# Altium PCB PCB1.PcbDoc (part 2 of 2)
Units mil, origin at the board's own origin, x right, y up, seen from the top; angles counter-clockwise.
Board outline 5314.96 x 2370.75 mil, 2 copper layers (Top Layer, Bottom Layer); 257 components, 147 nets, 806 pads, 335 vias.
Unrouted connection lines stored in the file: 91.
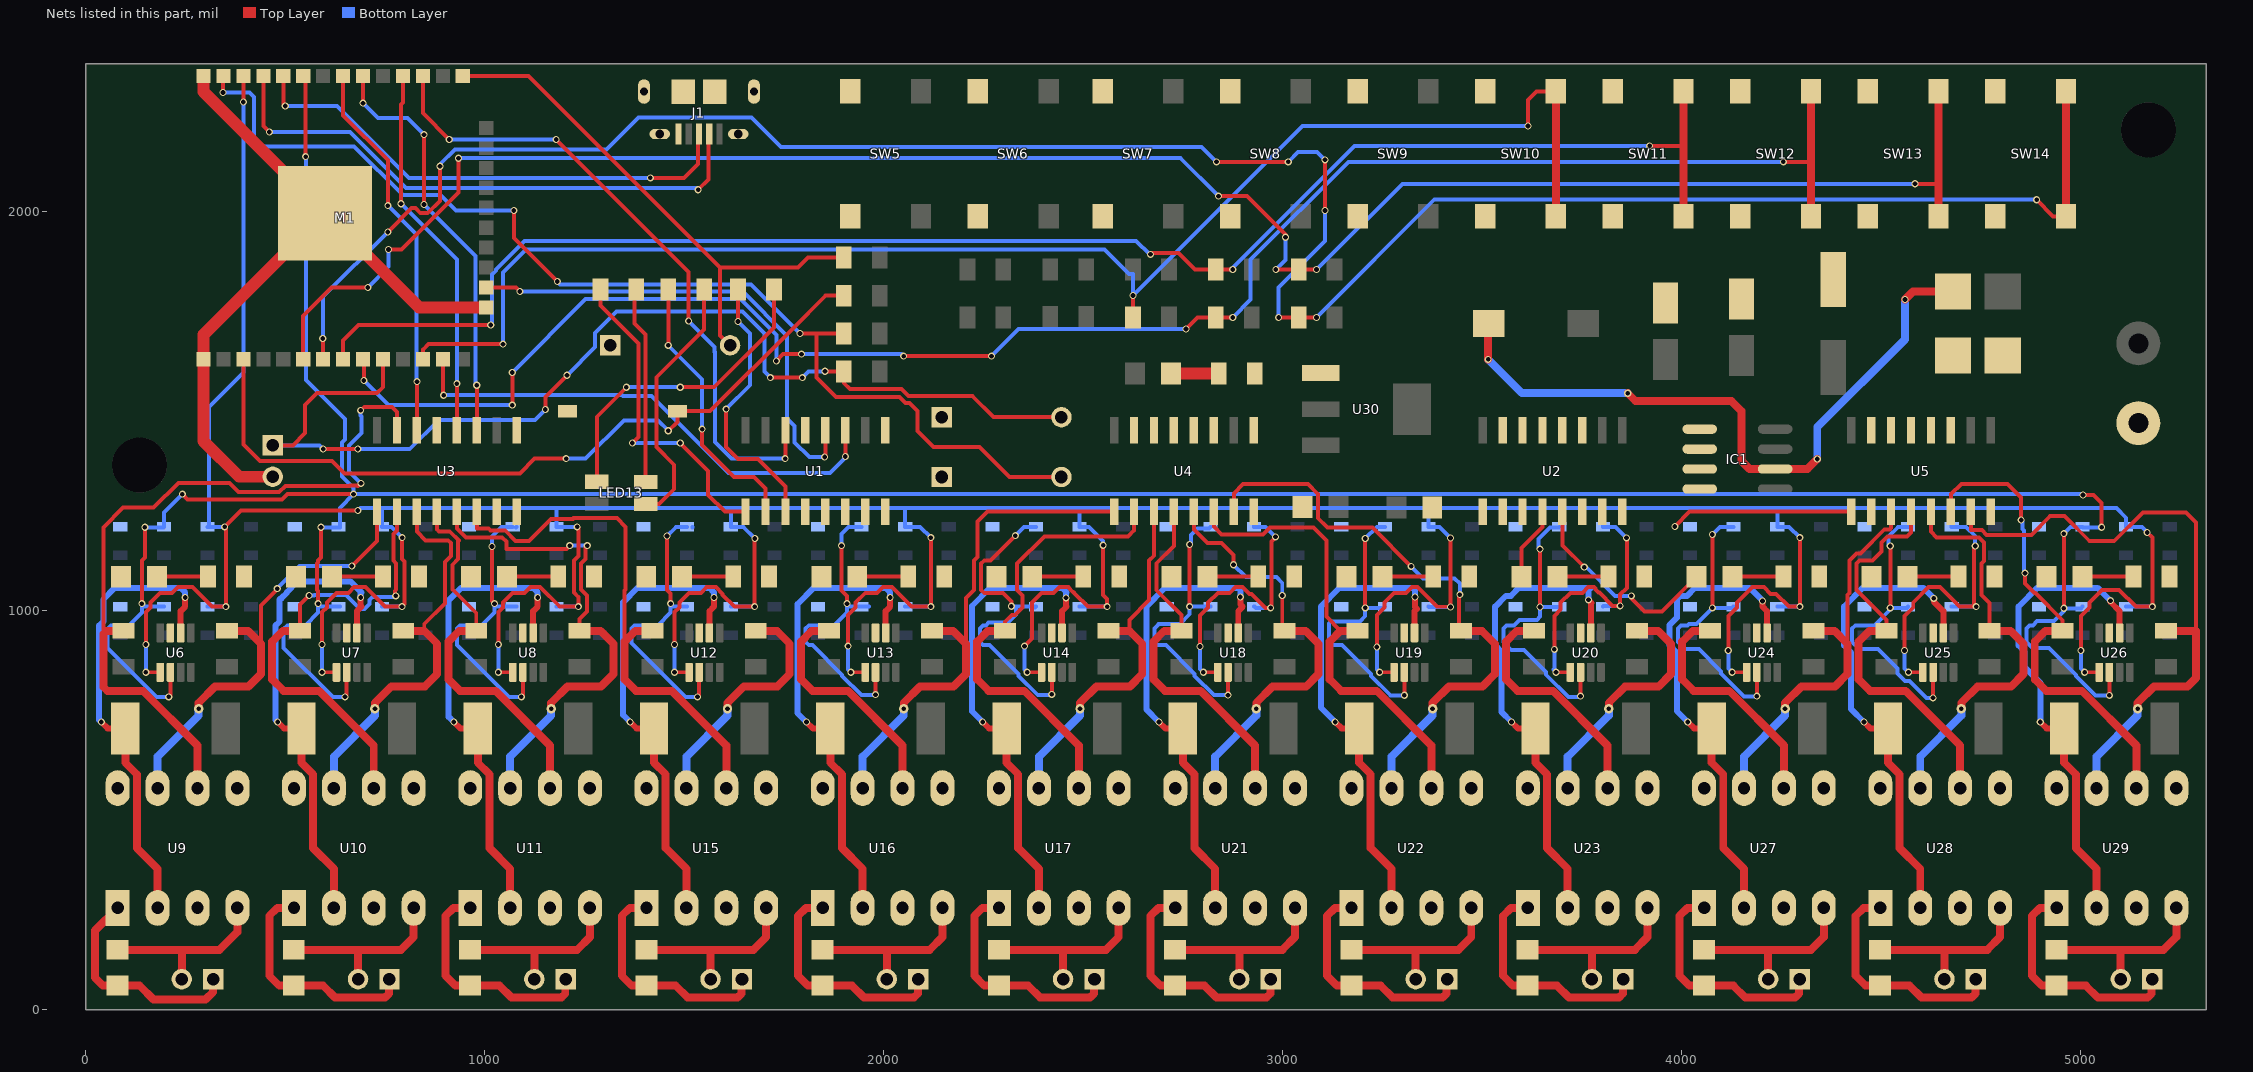
[diagram p2: the nets of this part, all layers, seen from the top]

## Via types
v1: diameter 17.72, hole 11.81, Top Layer to Bottom Layer, 301 vias
v2: diameter 23.62, hole 11.81, Top Layer to Bottom Layer, 34 vias

## Nets (pads, with @x,y where several pads share a name; then routed paths per layer and width w, separated by ;. In a path a pad name is that pad's centre, name@x,y a point inside that pad or via, vN(x,y) a via of type N, cw(c..) or ccw(c..) an arc to the next point about the centre after c; other vN are vias at no path point) (continued)
BTN_M6: M1.12 R158.2 SW10.1 SW10.4 | length 3770.3
  Top Layer w10: M1.12@845,1630 845,1654 859,1668 v1(1046,1668) ; R158.2@2625,1735 v1(2625,1790) ; v1(3615,2215) 3615,2280 3636.5,2301.5 SW10.1@3685.01,2301.5
  Top Layer w20: SW10.4@3685.01,1988.5 SW10.1@3685.01,2301.5
  Bottom Layer w10: v1(1046,1668) 1046,1847.37 1103.63,1905 2553.91,1905 2614.91,1844 2625,1844 v1(2625,1790) 3050,2215 v1(3615,2215)
BTN_M7: M1.8 R159.2 SW11.1 SW11.4 | length 4061.6
  Top Layer w10: M1.8@645,1630 645,1677 684,1716 v1(1015,1716) ; v1(2669,1893) 2673,1897 2738.57,1897 2780.57,1855 R159.2@2832.5,1855 v1(2875,1855) ; v1(3920,2165) 4004.65,2165
  Top Layer w20: SW11.4@4004.65,1988.5 4004.65,2165 SW11.1@4004.65,2301.5
  Bottom Layer w10: v1(1015,1716) 1018,1719 1018,1842 1028,1852 1028,1854.82 1100.18,1927 2633,1927 2667,1893 v1(2669,1893) ; v1(2875,1855) 2875,1860.37 3179.63,2165 v1(3920,2165)
BTN_M8: M1.9 R160.2 SW12.1 SW12.4 | length 4549.4
  Top Layer w10: M1.9@695,1630 697,1628 v1(697,1577) ; v1(1069,1515) v1(1069,1597) ; v1(1731,1626) 1748,1643 v1(1794,1643) ; v1(2050,1638) v1(2270,1638) ; v1(2758,1706) 2787,1735 R160.2@2832.5,1735 v1(2875,1735) ; v1(4255,2125) 4324.3,2125
  Top Layer w20: SW12.4@4324.3,1988.5 4324.3,2125 SW12.1@4324.3,2301.5
  Bottom Layer w10: v1(697,1577) 759,1515 v1(1069,1515) ; v1(1069,1597) 1253,1781 1640.54,1781 1731,1690.54 v1(1731,1626) ; v1(1794,1643) 2045,1643 v1(2050,1638) ; v1(2270,1638) 2338,1706 v1(2758,1706) ; v1(2875,1735) 2920,1780 2920,1879.91 3165.09,2125 v1(4255,2125)
BTN_M9: M1.6 R161.2 SW13.1 SW13.4 | length 5050.4
  Top Layer w10: M1.6@545,1630 545,1739 616,1810 v1(707,1810) ; v1(759,1905) 791.37,1905 934,2047.63 v1(934,2134) ; v1(2839,2039) 2911,2039 3007,1943 v1(3007,1936) ; v1(2983,1855) R161.2@3040,1855 v1(3085,1855) ; v1(4585,2070) 4643.94,2070
  Top Layer w20: SW13.4@4643.94,1988.5 4643.94,2070 SW13.1@4643.94,2301.5
  Bottom Layer w10: v1(707,1810) 759,1862 v1(759,1905) ; v1(934,2134) 2744,2134 v1(2839,2039) ; v1(2983,1855) 3007,1879 v1(3007,1936) ; v1(3085,1855) 3300,2070 v1(4585,2070)
BTN_M10: M1.7 R162.2 SW14.1 SW14.4 | length 5854.8
  Top Layer w10: v1(594,1682) 595,1681 M1.7@595,1630 ; v1(757,1949) 816.95,2008.95 826.14,2008.95 838.95,1996.14 857.05,1996.14 888,2027.09 v1(888,2114) ; v1(2834,2125) v1(3014,2125) ; v1(2990,1735) R162.2@3040,1735 v1(3085,1735) ; v1(3106,2003) v1(3106,2130) ; v1(4890,2030) 4931.5,1988.5 SW14.4@4963.58,1988.5
  Top Layer w20: SW14.4@4963.58,1988.5 SW14.1@4963.58,2301.5
  Bottom Layer w10: v1(594,1682) 595,1681 595,1787 v1(757,1949) ; v1(888,2114) 888,2118.91 924.95,2155.86 1304.86,2155.86 1385,2236 1669,2236 1743,2162 2797,2162 v1(2834,2125) ; v1(2990,1735) 2990,1810 3106,1926 v1(3106,2003) ; v1(3014,2125) 3039,2150 3086,2150 v1(3106,2130) ; v1(3085,1735) 3380,2030 v1(4890,2030)
DS: M1.31 U3.14 | length 964.6
  Top Layer w10: M1.31@645,2340 645,2241 757,2129 v1(757,2015) ; U3.14@830,1452 v1(830,1574)
  Bottom Layer w10: v1(757,2015) 829,1943 829,1575 v1(830,1574)
DS_2: M1.27 U1.14 | length 1641.9
  Top Layer w10: M1.27@845,2340 845,2247 v1(911,2181) ; v1(1179,2181) 1511,1849 v1(1511,1726) ; v1(1753,1381) 1753.75,1381.75 U1.14@1753.75,1452
  Bottom Layer w10: v1(911,2181) v1(1179,2181) ; v1(1511,1726) 1576.41,1660.59 1576.41,1648.42 1577,1647.83 1577,1423 1619,1381 v1(1753,1381)
GND: C13.1 C14.1 C15.2 C16.2 C17.2 DIO1.1 DIO2.1 HD1.1 IC1.5 IC1.6 IC1.7 IC1.8 J1.5 J1.S1 J1.S2 J1.S3 J1.S4 J1.S5 J1.S6 J2.2 M1.1 M1.15 M1.38 M1.101 R5.2 R6.2 R7.2 R8.2 R9.2 R10.2 R11.2 R12.2 R13.2 R14.2 R15.2 R16.2 R45.1 R47.1 R49.1 R50.1 R51.1 R52.1 R78.1 R80.1 R82.1 R83.1 R84.1 R85.1 R111.1 R113.1 R115.1 R116.1 R117.1 R118.1 R144.1 R146.1 R148.1 R149.1 R150.1 R151.1 R152.2 SW1.2 SW2.1 SW3.1 SW4.1 SW5.2 SW5.3 SW6.2 SW6.3 SW7.2 SW7.3 SW8.2 SW8.3 SW9.2 SW9.3 SW10.2 SW10.3 SW11.2 SW11.3 SW12.2 SW12.3 SW13.2 SW13.3 SW14.2 SW14.3 U1.8 U1.13 U2.8 U2.13 U3.8 U3.13 U4.8 U4.13 U5.8 U5.13 U6.3 U7.3 U8.3 U9.5 U9.8 U10.5 U10.8 U11.5 U11.8 U12.3 U13.3 U14.3 U15.5 U15.8 U16.5 U16.8 U17.5 U17.8 U18.3 U19.3 U20.3 U21.5 U21.8 U22.5 U22.8 U23.5 U23.8 U24.3 U25.3 U26.3 U27.5 U27.8 U28.5 U28.8 U29.5 U29.8 U30.1 | length 1874.1
  Top Layer w30: M1.38@295,2334.2 295,2300.63 M1.101@599.49,1996.14 ; J2.2@468.62,1335.63 384.37,1335.63 295,1425 M1.1@295,1630 295,1691.65 M1.101@599.49,1996.14 ; M1.15@1003.66,1759.92 835.71,1759.92 M1.101@599.49,1996.14
L1DOWN: R23.2 U3.1 U9.7 | length 1146.7
  Top Layer w10: 439,917 439,1013.47 480,1054.47 v1(480,1055) ; v1(667,1112) 730,1175 U3.1@730,1248
  Top Layer w20: v2(283,754) 283,769 324,810 408,810 439,841 439,917 406.55,949.45 R23.2@353.91,949.45
  Bottom Layer w10: v1(480,1055) 479,1055 536,1112 v1(667,1112)
  Bottom Layer w20: U9.7@180,555 180,634 283,737 v2(283,754)
L1UP: R24.2 U3.15 U9.6 | length 1927.7
  Top Layer w10: 44,941 44,1209 93,1258 170,1258 232,1320 360.4,1320 383.36,1297.04 484.61,1297.04 500.57,1313 661.09,1313 661.95,1313.86 680.05,1313.86 680.91,1313 682,1313 690,1321 v1(690,1319) ; v1(689,1502) 698,1511 767,1511 780,1498 U3.15@780,1452
  Top Layer w20: R24.2@95.08,949.45 52.45,949.45 44,941 44,809 54,799 143,799 280,662 U9.6@280,555
  Bottom Layer w10: v1(689,1502) 689,1489 691,1487 691,1444.91 660.14,1414.05 660.14,1348.86 v1(690,1319)
L2DOWN: R25.2 U3.3 U10.7 | length 1011.5
  Top Layer w10: U3.3@830,1248 830,1198 852,1176 908.53,1176 915,1169.53 915,1136.47 900,1121.47 900,1018 848.37,966.37 848.37,949.45
  Top Layer w20: v2(724.82,754) 724.82,769 765.82,810 849.82,810 880.82,841 880.82,917 848.37,949.45 R25.2@795.73,949.45
  Bottom Layer w20: U10.7@621.82,555 621.82,634 724.82,737 v2(724.82,754)
L2UP: R26.2 U3.2 U10.6 | length 1175.7
  Top Layer w10: R26.2@536.9,949.45 536.9,1014.9 v1(560,1038) ; v1(777,1037) 774.82,1039.18 774.82,1049.52 777.92,1052.62 777.92,1118.38 771.14,1125.16 771.14,1192.05 780,1200.91 U3.2@780,1248
  Top Layer w20: R26.2@536.9,949.45 494.27,949.45 467,922.18 467,828 496,799 584.82,799 721.82,662 U10.6@721.82,555
  Bottom Layer w10: v1(560,1038) 572.07,1038 573.34,1039.28 651.72,1039.28 687,1004 699,1004 711.61,1016.61 711.61,1027.2 719.22,1034.81 774.81,1034.81 v1(777,1037)
L3DOWN: R27.2 U3.5 U11.7 | length 1256.9
  Top Layer w10: U3.5@930,1248 930,1206.46 952.96,1183.5 1043.5,1183.5 1054,1173 1054,1155 1205,1155 v1(1213,1163) ; R27.2@1237.55,949.45 1237.55,978.55 1256.5,997.5 1256.5,1037.43 1241.31,1052.62 1241.31,1118.38 1252.86,1129.93 1252.86,1159.86 1257,1164 v1(1257,1163)
  Top Layer w20: v2(1166.64,754) 1166.64,769 1207.64,810 1291.64,810 1322.64,841 1322.64,917 1290.19,949.45 R27.2@1237.55,949.45
  Bottom Layer w10: v1(1213,1163) v1(1257,1163)
  Bottom Layer w20: U11.7@1063.64,555 1063.64,634 1166.64,737 v2(1166.64,754)
L3UP: R28.2 U3.4 U11.6 | length 974.6
  Top Layer w10: U3.4@880,1248 880,1204 885,1199 912,1199 935,1176 933,1174 933,1129.02 919,1115.02 919,1053.62 978.72,993.9 R28.2@978.72,949.45
  Top Layer w20: R28.2@978.72,949.45 936.08,949.45 908.82,922.18 908.82,827.82 937.64,799 1026.64,799 1163.64,662 U11.6@1163.64,555
L4DOWN: R56.2 U3.7 U15.7 | length 617
  Top Layer w20: v2(1608.45,754) 1608.45,769 1649.45,810 1733.45,810 1764.45,841 1764.45,917 1732.01,949.45 R56.2@1679.37,949.45
  Bottom Layer w20: U15.7@1505.46,555 1505.46,634 1608.45,737 v2(1608.45,754)
L4UP: R57.2 U3.6 U15.6 | length 1355
  Top Layer w10: U3.6@980,1248 980,1207 981,1206 1009.62,1206 1014.12,1201.5 1050.96,1201.5 1077.46,1175 1111,1175 1166,1230 1220.72,1230 1222.58,1231.86 1331.14,1231.86 1353.36,1209.64 1353.36,1053.47 1350.64,1050.74 1350.64,922.18
  Top Layer w20: R57.2@1420.53,949.45 1377.9,949.45 1350.64,922.18 1350.64,827.82 1379.45,799 1468.45,799 1605.46,662 U15.6@1605.46,555
L5DOWN: R58.2 U4.1 U16.7 | length 1287.8
  Top Layer w10: 2206.27,917 2206.27,1032.02 2226.42,1052.16 2226.42,1125.34 2235.18,1134.1 2235.18,1223.18 2260,1248 U4.1@2577.5,1248
  Top Layer w20: v2(2050.27,754) 2050.27,769 2091.27,810 2175.27,810 2206.27,841 2206.27,917 2173.83,949.45 R58.2@2121.19,949.45
  Bottom Layer w20: U16.7@1947.27,555 1947.27,634 2050.27,737 v2(2050.27,754)
L5UP: R59.2 U4.15 U16.6 | length 606.1
  Top Layer w20: R59.2@1862.35,949.45 1819.72,949.45 1792.45,922.18 1792.45,827.82 1821.27,799 1910.27,799 2047.27,662 U16.6@2047.27,555
L6DOWN: R60.2 U4.3 U17.7 | length 941.2
  Top Layer w10: 2615.64,949.45 2615.64,976.64 2665.19,1026.19 2665.19,1125.34 2677.5,1137.65 U4.3@2677.5,1248
  Top Layer w20: v2(2492.09,754) 2492.09,769 2533.09,810 2617.09,810 2648.09,841 2648.09,917 2615.64,949.45 R60.2@2563.01,949.45
  Bottom Layer w20: U17.7@2389.09,555 2389.09,634 2492.09,737 v2(2492.09,754)
L6UP: R61.2 U4.2 U17.6 | length 1177.1
  Top Layer w10: R61.2@2304.17,949.45 2304.17,972.17 2321.14,989.14 2329.05,989.14 2348,1008.09 2348,1038.54 2334.42,1052.12 2334.42,1117.88 2402.54,1186 2612,1186 2627.5,1201.5 U4.2@2627.5,1248
  Top Layer w20: R61.2@2304.17,949.45 2261.54,949.45 2234.27,922.18 2234.27,827.82 2263.09,799 2352.09,799 2489.09,662 U17.6@2489.09,555
L7DOWN: R89.2 U4.5 U21.7 | length 1074.7
  Top Layer w10: U4.5@2777.5,1248 2777.5,1203.5 2812,1169 2847,1169 2877,1139 v1(2877,1115) ; v1(2999,1038) 2999,955.27 R89.2@3004.82,949.45
  Top Layer w20: v2(2933.91,754) 2933.91,769 2974.91,810 3058.91,810 3089.91,841 3089.91,917 3057.46,949.45 R89.2@3004.82,949.45
  Bottom Layer w10: v1(2877,1115) 2908,1084 2984,1084 2999,1069 v1(2999,1038)
  Bottom Layer w20: U21.7@2830.91,555 2830.91,634 2933.91,737 v2(2933.91,754)
L7UP: R90.2 U4.4 U21.6 | length 949
  Top Layer w10: U4.4@2727.5,1248 2727.5,1162.2 2683.19,1117.88 2683.19,1052.12 2745.99,989.31 R90.2@2745.99,949.45
  Top Layer w20: R90.2@2745.99,949.45 2703.36,949.45 2676.09,922.18 2676.09,827.82 2704.91,799 2793.91,799 2930.91,662 U21.6@2930.91,555
L8DOWN: R91.2 U4.7 U22.7 | length 1499.3
  Top Layer w10: U4.7@2877.5,1248 2877.5,1293.5 2901,1317 3063.88,1317 3088,1292.88 3088,1232 3112,1208 3225,1208 v1(3322,1111) ; v1(3444,1040) 3442,1038 3442,1018.65 3442.59,1018.06 3442.59,999.95 3442,999.36 3442,954.09 R91.2@3446.64,949.45
  Top Layer w20: v2(3375.73,754) 3375.73,769 3416.73,810 3500.73,810 3531.73,841 3531.73,917 3499.28,949.45 R91.2@3446.64,949.45
  Bottom Layer w10: v1(3322,1111) 3352,1081 3431,1081 3444,1068 v1(3444,1040)
  Bottom Layer w20: U22.7@3272.73,555 3272.73,634 3375.73,737 v2(3375.73,754)
L8UP: R92.2 U4.6 U22.6 | length 1195
  Top Layer w10: U4.6@2827.5,1248 2827.5,1210.5 2847,1191 2951,1191 2968,1208 3077.07,1208 3109.55,1175.53 3109.55,985.07 3145.17,949.45
  Top Layer w20: R92.2@3187.81,949.45 3145.17,949.45 3117.91,922.18 3117.91,827.82 3146.73,799 3235.73,799 3372.73,662 U22.6@3372.73,555
L9DOWN: R93.2 U5.1 U23.7 | length 1074.3
  Top Layer w10: v1(3983,1211) 4020,1248 U5.1@4425,1248
  Top Layer w20: v2(3817.54,754) 3817.54,769 3858.54,810 3942.54,810 3973.54,841 3973.54,917 3941.1,949.45 R93.2@3888.46,949.45
  Bottom Layer w20: U23.7@3714.55,555 3714.55,634 3817.54,737 v2(3817.54,754)
L9UP: R94.2 U5.15 U23.6 | length 606.1
  Top Layer w20: R94.2@3629.63,949.45 3586.99,949.45 3559.73,922.18 3559.73,827.82 3588.54,799 3677.54,799 3814.55,662 U23.6@3814.55,555
L10DOWN: R122.2 U5.3 U27.7 | length 1006.9
  Top Layer w10: 4415.36,917 4415.36,1039.84 4420.26,1044.73 4420.26,1125.34 4438.42,1143.5 4448.13,1143.5 4508.63,1204 4522,1204 4525,1207 U5.3@4525,1248
  Top Layer w20: v2(4259.36,754) 4259.36,769 4300.36,810 4384.36,810 4415.36,841 4415.36,917 4382.92,949.45 R122.2@4330.28,949.45
  Bottom Layer w20: U27.7@4156.36,555 4156.36,634 4259.36,737 v2(4259.36,754)
L10UP: R123.2 U5.2 U27.6 | length 606.1
  Top Layer w20: R123.2@4071.44,949.45 4028.81,949.45 4001.54,922.18 4001.54,827.82 4030.36,799 4119.36,799 4256.36,662 U27.6@4256.36,555
L11DOWN: R124.2 U5.5 U28.7 | length 1043.8
  Top Layer w10: U5.5@4625,1248 4625,1198 4639.14,1183.86 4745.05,1183.86 4757.86,1171.05 4757.86,1124.78 4751.46,1118.38 4751.46,1039.71 4772.1,1019.07 R124.2@4772.1,949.45
  Top Layer w20: v2(4701.18,754) 4701.18,769 4742.18,810 4826.18,810 4857.18,841 4857.18,917 4824.73,949.45 R124.2@4772.1,949.45
  Bottom Layer w20: U28.7@4598.18,555 4598.18,634 4701.18,737 v2(4701.18,754)
L11UP: R125.2 U5.4 U28.6 | length 1040.1
  Top Layer w10: R125.2@4513.26,949.45 4513.26,977.11 4438.26,1052.12 4438.26,1117.88 4445.88,1125.5 4478.5,1125.5 4501.14,1148.14 4501.14,1171.05 4516.09,1186 4565,1186 4575,1196 U5.4@4575,1248
  Top Layer w20: R125.2@4513.26,949.45 4470.63,949.45 4443.36,922.18 4443.36,827.82 4472.18,799 4561.18,799 4698.18,662 U28.6@4698.18,555
L12DOWN: R126.2 U5.7 U29.7 | length 1594.2
  Top Layer w10: U5.7@4725,1248 4725,1201.86 4752.51,1201.86 4764.37,1190 4877,1190 4924,1237 4960,1237 5023,1174 5084,1174 5156,1246 5264,1246 5289,1221 5289,949.45
  Top Layer w20: v2(5143,754) 5143,769 5184,810 5268,810 5289,831 5289,949.45 R126.2@5213.91,949.45
  Bottom Layer w20: U29.7@5040,555 5040,634 5143,737 v2(5143,754)
L12UP: R127.2 U5.6 U29.6 | length 1229.7
  Top Layer w10: U5.6@4675,1248 4675,1292 4701,1318 4817,1318 4851,1284 v1(4851,1227) ; v1(4861,1094) 4861,1068.14 4884.64,1044.5 4886.5,1044.5 4955.08,975.92 R127.2@4955.08,949.45
  Top Layer w20: R127.2@4955.08,949.45 4912.45,949.45 4885.18,922.18 4885.18,827.82 4914,799 5003,799 5140,662 U29.6@5140,555
  Bottom Layer w10: v1(4851,1227) 4855,1223 4855,1204.35 4858.28,1201.07 4858.28,1096.72 v1(4861,1094)
LED_BLUE: R17.2 U1.3 | length 685.2
  Top Layer w10: v1(1605,1505) 1605,1410 1635,1380 1685,1380 1753.75,1311.25 U1.3@1753.75,1248 ; v1(1635,1725) R17.2@1635,1805
  Bottom Layer w10: v1(1605,1505) 1665,1565 1665,1695 v1(1635,1725)
LED_GREEN: R18.2 U1.2 | length 687.3
  Top Layer w10: v1(1460,1665) R18.2@1460,1805 ; v1(1545,1455) 1545,1415 1625,1335 1675,1335 1703.75,1306.25 U1.2@1703.75,1248
  Bottom Layer w10: v1(1460,1665) 1545,1580 v1(1545,1455)
LED_RED: R19.2 U1.1 | length 820.7
  Top Layer w10: R19.2@1290,1805 1290,1765 1385,1670 1385,1435 v1(1370,1420) ; v1(1490,1420) 1560,1350 1560,1290 1602,1248 U1.1@1653.75,1248
  Bottom Layer w10: v1(1370,1420) v1(1490,1420)
M1: LED1.1 U1.4
M2: LED2.1 U1.5
M3: LED3.1 U1.6
M4: LED4.1 U1.7
M5: LED5.1 U2.15
M6: LED6.1 U2.1
M7: LED7.1 U2.2
M8: LED8.1 U2.3
M9: LED9.1 U2.4 | length 184.8
  Top Layer w10: LED9.1@3598.72,1085 3598.72,1156.72 3651.25,1209.25 U2.4@3651.25,1248
M10: LED10.1 U2.5 | length 528.7
  Top Layer w10: U2.5@3701.25,1248 3701.25,1163.75 v1(3756,1109) ; v1(3874,1037) 3874,1031 3907,998 3950.49,998 LED10.1@4037.49,1085
  Bottom Layer w10: v1(3756,1109) 3761,1109 3833,1037 v1(3874,1037)
M11: LED11.1 U2.6
M12: LED12.1 U2.7
MODE_RUN: J2.1 M1.10 R4.2 SW4.2 | length 2812.1
  Top Layer w10: J2.1@468.62,1414.37 519.37,1414.37 550,1445 550,1515 580,1545 730,1545 745,1560 M1.10@745,1630 ; v1(595,1405) v1(682,1405) ; v1(1152,1504) 1152,1536 v1(1206,1590) ; v1(1716,1584) v1(1796,1584) ; v1(1853,1600) R4.2@1900,1600 1900,1570 1915,1555 2045,1555 2062,1538 2222,1538 2275,1485 SW4.2@2445.57,1485
  Bottom Layer w10: J2.1@468.62,1414.37 585.63,1414.37 v1(595,1405) ; v1(682,1405) 812,1405 885,1478 1126,1478 v1(1152,1504) ; v1(1206,1590) 1276.41,1660.41 1276.41,1695.98 1330.43,1750 1646,1750 1701,1695 1701,1599 v1(1716,1584) ; v1(1796,1584) 1812,1600 v1(1853,1600) v1@1850,1597
MODE_SETUP: M1.37 R3.2 SW3.2 | length 2804.9
  Top Layer w10: v1(344,2299) 344,2339 M1.37@345,2340 ; v1(1073,2003) 1073,1934 v1(1182,1825) ; v1(1790.33,1694.67) R3.2@1900,1694.67 ; 1831.14,1694.67 1831.14,1583.86 1880,1535 2039.54,1535 2054.54,1520 2065,1520 2085,1500 2085,1450 2125,1410 2240,1410 2315,1335 SW3.2@2445.57,1335
  Bottom Layer w10: v1(344,2299) 410,2299 422,2287 422,2186 444,2164 672.54,2164 794.69,2041.86 889.14,2041.86 928,2003 v1(1073,2003) ; v1(1182,1825) 1189,1818 1667,1818 v1(1790.33,1694.67)
NetC1_1: C1.1 J3.1 U9.1 | length 557.8
  Top Layer w20: U9.1@80,255 23,198 23,80 43,60 C1.1@79.5,60 135,60 170,25 300,25 319.37,44.37 J3.1@319.37,76.38
NetC1_2: C1.2 J3.2 U9.4 | length 455.1
  Top Layer w20: C1.2@79.5,150 235,150 ; J3.2@240.63,76.38 240.63,144.37 235,150 ; U9.4@380,255 380,195 335,150 235,150
NetC2_1: C2.1 J4.1 U10.1 | length 583.9
  Top Layer w20: U10.1@521.82,255 480,255 460,235 460,85 485,60 C2.1@521.32,60 595,60 625,30 750,30 760,40 760,75.19 J4.1@761.19,76.38
NetC2_2: C2.2 J4.2 U10.4 | length 463.6
  Top Layer w20: C2.2@521.32,150 690,150 ; J4.2@682.45,76.38 682.45,142.45 690,150 ; U10.4@821.82,255 821.82,181.82 790,150 690,150
NetC3_1: C3.1 J5.1 U11.1 | length 583.9
  Top Layer w20: U11.1@963.64,255 921.82,255 901.82,235 901.82,85 926.82,60 C3.1@963.14,60 1036.82,60 1066.82,30 1191.82,30 1201.82,40 1201.82,75.19 J5.1@1203.01,76.38
NetC3_2: C3.2 J5.2 U11.4 | length 452.9
  Top Layer w20: C3.2@963.14,150 1131.82,150 1231.82,150 1263.64,181.82 U11.4@1263.64,255 ; J5.2@1124.27,76.38 1124.27,142.45
NetC4_1: C4.1 J6.1 U15.1 | length 583.9
  Top Layer w20: U15.1@1405.46,255 1363.64,255 1343.64,235 1343.64,85 1368.64,60 C4.1@1404.96,60 1478.64,60 1508.64,30 1633.64,30 1643.64,40 1643.64,75.19 J6.1@1644.83,76.38
NetC4_2: C4.2 J6.2 U15.4 | length 452.9
  Top Layer w20: C4.2@1404.96,150 1573.64,150 1673.64,150 1705.46,181.82 U15.4@1705.46,255 ; J6.2@1566.09,76.38 1566.09,142.45
NetC5_1: C5.1 J7.1 U16.1 | length 583.9
  Top Layer w20: U16.1@1847.27,255 1805.45,255 1785.45,235 1785.45,85 1810.45,60 C5.1@1846.77,60 1920.45,60 1950.45,30 2075.45,30 2085.45,40 2085.45,75.19 J7.1@2086.64,76.38
NetC5_2: C5.2 J7.2 U16.4 | length 452.9
  Top Layer w20: C5.2@1846.77,150 2015.45,150 2115.45,150 2147.27,181.82 U16.4@2147.27,255 ; J7.2@2007.9,76.38 2007.9,142.45
NetC6_1: C6.1 J8.1 U17.1 | length 583.9
  Top Layer w20: U17.1@2289.09,255 2247.27,255 2227.27,235 2227.27,85 2252.27,60 C6.1@2288.59,60 2362.27,60 2392.27,30 2517.27,30 2527.27,40 2527.27,75.19 J8.1@2528.46,76.38
NetC6_2: C6.2 J8.2 U17.4 | length 452.9
  Top Layer w20: C6.2@2288.59,150 2457.27,150 2557.27,150 2589.09,181.82 U17.4@2589.09,255 ; J8.2@2449.72,76.38 2449.72,142.45
NetC7_1: C7.1 J9.1 U21.1 | length 583.9
  Top Layer w20: U21.1@2730.91,255 2689.09,255 2669.09,235 2669.09,85 2694.09,60 C7.1@2730.41,60 2804.09,60 2834.09,30 2959.09,30 2969.09,40 2969.09,75.19 J9.1@2970.28,76.38
NetC7_2: C7.2 J9.2 U21.4 | length 452.9
  Top Layer w20: C7.2@2730.41,150 2899.09,150 2999.09,150 3030.91,181.82 U21.4@3030.91,255 ; J9.2@2891.54,76.38 2891.54,142.45
NetC8_1: C8.1 J10.1 U22.1 | length 583.9
  Top Layer w20: U22.1@3172.73,255 3130.91,255 3110.91,235 3110.91,85 3135.91,60 C8.1@3172.23,60 3245.91,60 3275.91,30 3400.91,30 3410.91,40 3410.91,75.19 J10.1@3412.1,76.38
NetC8_2: C8.2 J10.2 U22.4 | length 452.9
  Top Layer w20: C8.2@3172.23,150 3340.91,150 3440.91,150 3472.73,181.82 U22.4@3472.73,255 ; J10.2@3333.36,76.38 3333.36,142.45
NetC9_1: C9.1 J11.1 U23.1 | length 583.9
  Top Layer w20: U23.1@3614.55,255 3572.73,255 3552.73,235 3552.73,85 3577.73,60 C9.1@3614.05,60 3687.73,60 3717.73,30 3842.73,30 3852.73,40 3852.73,75.19 J11.1@3853.92,76.38
NetC9_2: C9.2 J11.2 U23.4 | length 452.9
  Top Layer w20: C9.2@3614.05,150 3782.73,150 3882.73,150 3914.55,181.82 U23.4@3914.55,255 ; J11.2@3775.18,76.38 3775.18,142.45
NetC10_1: C10.1 J12.1 U27.1 | length 583.9
  Top Layer w20: U27.1@4056.36,255 4014.54,255 3994.54,235 3994.54,85 4019.54,60 C10.1@4055.86,60 4129.54,60 4159.54,30 4284.54,30 4294.54,40 4294.54,75.19 J12.1@4295.73,76.38
NetC10_2: C10.2 J12.2 U27.4 | length 452.9
  Top Layer w20: C10.2@4055.86,150 4224.54,150 4324.54,150 4356.36,181.82 U27.4@4356.36,255 ; J12.2@4216.99,76.38 4216.99,142.45
NetC11_1: C11.1 J13.1 U28.1 | length 583.9
  Top Layer w20: U28.1@4498.18,255 4456.36,255 4436.36,235 4436.36,85 4461.36,60 C11.1@4497.68,60 4571.36,60 4601.36,30 4726.36,30 4736.36,40 4736.36,75.19 J13.1@4737.55,76.38
NetC11_2: C11.2 J13.2 U28.4 | length 452.9
  Top Layer w20: C11.2@4497.68,150 4666.36,150 4766.36,150 4798.18,181.82 U28.4@4798.18,255 ; J13.2@4658.81,76.38 4658.81,142.45
NetC12_1: C12.1 J14.1 U29.1 | length 583.9
  Top Layer w20: U29.1@4940,255 4898.18,255 4878.18,235 4878.18,85 4903.18,60 C12.1@4939.5,60 5013.18,60 5043.18,30 5168.18,30 5178.18,40 5178.18,75.19 J14.1@5179.37,76.38
NetC12_2: C12.2 J14.2 U29.4 | length 452.9
  Top Layer w20: C12.2@4939.5,150 5108.18,150 5208.18,150 5240,181.82 U29.4@5240,255 ; J14.2@5100.63,76.38 5100.63,142.45
NetDIO2_2: DIO2.2 IC1.2 L1.2 | length 1732.7
  Top Layer w20: v1(3515,1630) 3515,1718.11 L1.2@3516.89,1720 ; v1(3865,1545) 3885,1525 4125,1525 4150,1500 4150,1375 4170,1355 IC1.2@4234.49,1355 4315,1355 v1(4340,1380) ; v1(4560,1780) 4580,1800 DIO2.2@4680,1800
  Bottom Layer w20: v1(3515,1630) 3600,1545 v1(3865,1545) ; v1(4340,1380) 4340,1460 4560,1680 v1(4560,1780)
NetLED1_2: LED1.2 R5.1 | length 128.1
  Top Layer w10: LED1.2@178.58,1085 305.96,1085 R5.1@306.46,1085.5
NetLED2_2: LED2.2 R6.1 | length 127.4
  Top Layer w10: LED2.2@617.35,1085 R6.1@744.73,1085
NetLED3_2: LED3.2 R7.1 | length 127.4
  Top Layer w10: LED3.2@1056.12,1085 R7.1@1183.5,1085
NetLED4_2: LED4.2 R8.1 | length 127.4
  Top Layer w10: LED4.2@1494.88,1085 R8.1@1622.27,1085
NetLED5_2: LED5.2 R9.1 | length 127.4
  Top Layer w10: LED5.2@1933.65,1085 R9.1@2061.04,1085
NetLED6_2: LED6.2 R10.1 | length 127.4
  Top Layer w10: LED6.2@2372.42,1085 R10.1@2499.8,1085
NetLED7_2: LED7.2 R11.1 | length 127.4
  Top Layer w10: LED7.2@2811.19,1085 R11.1@2938.57,1085
NetLED8_2: LED8.2 R12.1 | length 127.4
  Top Layer w10: LED8.2@3249.96,1085 R12.1@3377.34,1085
NetLED9_2: LED9.2 R13.1 | length 127.4
  Top Layer w10: LED9.2@3688.72,1085 R13.1@3816.11,1085
NetLED10_2: LED10.2 R14.1 | length 127.4
  Top Layer w10: LED10.2@4127.49,1085 R14.1@4254.88,1085
NetLED11_2: LED11.2 R15.1 | length 127.4
  Top Layer w10: LED11.2@4566.26,1085 R15.1@4693.64,1085
NetLED12_2: LED12.2 R16.1 | length 127.4
  Top Layer w10: LED12.2@5005.03,1085 R16.1@5132.41,1085
NetLED13_2: LED13.2 R17.1 | length 794.8
  Top Layer w10: LED13.2@1281,1322.95 1281,1486 v1(1355,1560) ; v1(1490,1560) 1575,1560 1725,1710 R17.1@1725,1805
  Bottom Layer w10: v1(1355,1560) v1(1490,1560)
NetLED13_3: LED13.3 R18.1 | length 656
  Top Layer w10: LED13.3@1403.05,1267.15 1437.15,1267.15 1475,1305 1475,1365 1430,1410 1430,1585 1550,1705 R18.1@1550,1805
NetLED13_4: LED13.4 R19.1 | length 495.8
  Top Layer w10: R19.1@1380,1805 1375,1800 1375,1720 1403.05,1691.95 LED13.4@1403.05,1322.85
NetLED14_2: LED14.2 R152.1 | length 120.2
  Top Layer w30: LED14.2@2720,1594 2839.5,1594 R152.1@2840,1594.5
NetM1_3: M1.3 R2.1 SW1.1 | length 1971.7
  Top Layer w10: M1.3@395,1630 395,1417 437,1375 617,1375 648,1344 1088,1344 1125,1381 v1(1204,1381) ; v1(1460,1451) 1460,1450 1482.8,1472.8 SW1.1@1482.8,1500 1565,1500 1768.48,1703.48 1768.48,1703.72 1854.09,1789.33 R2.1@1900,1789.33
  Bottom Layer w10: v1(1204,1381) 1253,1381 1349,1477 1434,1477 v1(1460,1451)
NetM1_25: M1.25 R1.2 SW2.2 | length 1369.5
  Top Layer w10: M1.25@945,2340 1110,2340 1590,1860 ; SW2.2@1615,1665 1590,1690 1590,1860 ; R1.2@1900,1885 1810,1885 1785,1860 1590,1860
NetR20_2: R20.2 U6.2 U9.2 U9.3 | length 1191.9
  Top Layer w15: v1(39,721) 55,705 R20.2@99.01,705 ; U6.2@238,944.62 U6.2@237.79,944.41 237.79,998.79 249,1010 v1(249,1033)
  Top Layer w20: R20.2@99.01,705 99.01,618.87 128,589.88 128,405 180,353 U9.2@180,255
  Bottom Layer w15: v1(39,721) 33.5,726.5 33.5,962.37 44,972.87 44,1028 73,1057 238,1057 249,1046 v1(249,1033)
NetR21_2: R21.2 U7.2 U10.2 U10.3 | length 1207.3
  Top Layer w15: v1(480.82,721) 496.82,705 R21.2@540.83,705 ; U7.2@679.61,944.41 679.61,998.79 690.82,1010 689,1011.82 v1(689,1033)
  Top Layer w20: R21.2@540.83,705 540.83,618.87 569.82,589.88 569.82,405 621.82,353 U10.2@621.82,255
  Bottom Layer w15: v1(480.82,721) 475.32,726.5 475.32,962.37 485.82,972.87 485.82,1028 488.46,1030.64 490.09,1030.64 504.36,1044.91 504.36,1046.54 530.82,1073 663.82,1073 690.82,1046 689,1044.18 v1(689,1033)
NetR22_2: R22.2 U8.2 U11.2 U11.3 | length 1206.9
  Top Layer w15: v1(922.64,721) 938.64,705 R22.2@982.65,705 ; U8.2@1121.43,944.41 1121.43,998.79 1132.64,1010 v1(1132.64,1033)
  Top Layer w20: R22.2@982.65,705 982.65,618.87 1011.64,589.88 1011.64,405 1063.64,353 U11.2@1063.64,255
  Bottom Layer w15: v1(922.64,721) 909.69,733.94 909.69,1025.69 941,1057 1121.64,1057 1132.64,1046 v1(1132.64,1033)
NetR53_2: R53.2 U12.2 U15.2 U15.3 | length 1210.8
  Top Layer w15: v1(1364.45,721) 1380.45,705 R53.2@1424.47,705 ; U12.2@1563.25,944.41 1563.25,998.79 1574.45,1010 v1(1574.45,1033)
  Top Layer w20: R53.2@1424.47,705 1424.47,618.87 1453.46,589.88 1453.46,405 1505.46,353 U15.2@1505.46,255
  Bottom Layer w15: v1(1364.45,721) 1346.88,738.58 1346.88,1021.06 1382.82,1057 1563.45,1057 1574.45,1046 v1(1574.45,1033)
NetR54_2: R54.2 U13.2 U16.2 U16.3 | length 1214.7
  Top Layer w15: v1(1806.27,721) 1822.27,705 R54.2@1866.29,705 ; U13.2@2005.07,944.41 2005.07,998.79 2016.27,1010 v1(2016.27,1033)
  Top Layer w20: R54.2@1866.29,705 1866.29,618.87 1895.27,589.88 1895.27,405 1947.27,353 U16.2@1947.27,255
  Bottom Layer w15: v1(1806.27,721) 1784,743.27 1784,1016.36 1824.64,1057 2005.27,1057 2016.27,1046 v1(2016.27,1033)
NetR55_2: R55.2 U14.2 U17.2 U17.3 | length 1219.4
  Top Layer w15: v1(2248.09,721) 2264.09,705 R55.2@2308.1,705 ; U14.2@2446.88,944.41 2446.88,998.79 2458.09,1010 2457,1011.09 v1(2457,1032)
  Top Layer w20: R55.2@2308.1,705 2308.1,618.87 2337.09,589.88 2337.09,405 2389.09,353 U17.2@2389.09,255
  Bottom Layer w15: v1(2248.09,721) 2221.24,747.85 2221.24,1011.79 2266.45,1057 2447.09,1057 2458.09,1046 2457,1044.91 v1(2457,1032)
NetR86_2: R86.2 U18.2 U21.2 U21.3 | length 1224.1
  Top Layer w15: v1(2689.91,721) 2705.91,705 R86.2@2749.92,705 ; U18.2@2888.7,944.41 2888.7,998.79 2899.91,1010 2894,1015.91 v1(2894,1034)
  Top Layer w20: R86.2@2749.92,705 2749.92,618.87 2778.91,589.88 2778.91,405 2830.91,353 U21.2@2830.91,255
  Bottom Layer w15: v1(2689.91,721) 2658.42,752.49 2658.42,1010.23 2705.19,1057 2888.91,1057 2894,1051.91 v1(2894,1034)
NetR87_2: R87.2 U19.2 U22.2 U22.3 | length 1226.2
  Top Layer w15: v1(3131.73,721) 3147.73,705 R87.2@3191.74,705 ; U19.2@3330.52,944.41 3330.52,998.79 3336.36,1004.64 3332,1009 v1(3332,1034)
  Top Layer w20: R87.2@3191.74,705 3191.74,618.87 3220.73,589.88 3220.73,405 3272.73,353 U22.2@3272.73,255
  Bottom Layer w15: v1(3131.73,721) 3095.6,757.12 3095.6,1010.23 3142.37,1057 3330.73,1057 3332,1055.73 v1(3332,1034)
NetR88_2: R88.2 U20.2 U23.2 U23.3 | length 1234.1
  Top Layer w15: v1(3573.54,721) 3589.54,705 R88.2@3633.56,705 ; v1(3766.54,1027) 3773.77,1019.77 3772.34,1018.34 U20.2@3772.34,944.41
  Top Layer w20: R88.2@3633.56,705 3633.56,618.87 3662.55,589.88 3662.55,405 3714.55,353 U23.2@3714.55,255
  Bottom Layer w15: v1(3573.54,721) 3548,746.54 3548,897.61 3532.79,912.82 3532.79,1010.23 3559.87,1037.31 3572.22,1037.31 3591.91,1057 3772.54,1057 3766.54,1051 v1(3766.54,1027)
NetR119_2: R119.2 U24.2 U27.2 U27.3 | length 1208.9
  Top Layer w15: v1(4015.36,721) 4031.36,705 R119.2@4075.38,705 ; v1(4203,1024) 4203,1009.95 4214.16,998.79 U24.2@4214.16,944.41
  Top Layer w20: R119.2@4075.38,705 4075.38,618.87 4104.36,589.88 4104.36,405 4156.36,353 U27.2@4156.36,255
  Bottom Layer w15: 3987.97,991.77 3987.97,1028.23 3997.05,1037.31 4014.04,1037.31 4033.73,1057 4170.67,1057 4203,1024.67 v1(4203,1024) ; 3988,991.75 3988,982.23 3969.97,964.2 3969.97,912.82 3987.97,894.82 3987.97,748.39 v1(4015.36,721)
NetR120_2: R120.2 U25.2 U28.2 U28.3 | length 1211.7
  Top Layer w15: v1(4457.18,721) 4473.18,705 R120.2@4517.19,705 ; v1(4632,1031) 4632,1022.77 4655.97,998.79 U25.2@4655.97,944.41
  Top Layer w20: R120.2@4517.19,705 4517.19,618.87 4546.18,589.88 4546.18,405 4598.18,353 U28.2@4598.18,255
  Bottom Layer w15: v1(4457.18,721) 4425.15,753.03 4425.15,894.82 4407.15,912.82 4407.15,1010.23 4453.92,1057 4606,1057 v1(4632,1031)
NetR121_2: R121.2 U26.2 U29.2 U29.3 | length 1215.4
  Top Layer w15: v1(4899,721) 4915,705 R121.2@4959.01,705 ; v1(5075,1025) 5075,1021.59 5097.79,998.79 U26.2@5097.79,944.41
  Top Layer w20: R121.2@4959.01,705 4959.01,618.87 4988,589.88 4988,405 5040,353 U29.2@5040,255
  Bottom Layer w15: v1(4899,721) 4899,819.24 4859,859.24 4859,898.16 4844.33,912.82 4844.33,1010.23 4891.1,1057 5043,1057 v1(5075,1025)
NetU1_9: U1.9 U2.14
NetU3_9: U3.9 U4.14
NetU4_9: U4.9 U5.14
RX_1: J1.2 M1.35 | length 1410.6
  Top Layer w10: M1.35@445,2340 445,2215 v1(460,2200) ; v1(1535,2055) 1560.59,2080.59 J1.2@1560.59,2173.7
  Bottom Layer w10: v1(460,2200) 662,2200 802.14,2059.86 1530.14,2059.86 v1(1535,2055)
SCL_1: M1.36 R29.1 R30.1 R31.1 R32.1 R34.1 R36.1 R62.1 R63.1 R64.1 R65.1 R67.1 R69.1 R95.1 R96.1 R97.1 R98.1 R100.1 R102.1 R128.1 R129.1 R130.1 R131.1 R133.1 R135.1 U6.5 U7.5 U8.5 U12.5 U13.5 U14.5 U18.5 U19.5 U20.5 U24.5 U25.5 U26.5 | length 15233.7
  Top Layer w10: v1(150.41,845.59) U6.5@186.61,845.59 ; v1(150.41,915.41) 150.41,996.34 162.44,1008.37 162.44,1020.44 186.5,1044.5 216.5,1044.5 231,1059 267,1059 316,1010 v1(351,1010) 351,1207 v1(348,1210) 389,1251 v1(682,1251) ; v1(395,2275) M1.36@395,2340 ; v1(592.23,845.59) U7.5@628.43,845.59 ; v1(592.23,915.41) 592.23,996.34 604.26,1008.37 604.26,1020.44 628.32,1044.5 658.32,1044.5 672.82,1059 701,1059 750,1010 v1(792.82,1010) 798.86,1016.04 798.86,1122.9 792.82,1128.94 792.82,1183 v1(793,1183) ; v1(1034.05,845.59) U8.5@1070.25,845.59 ; v1(1034.05,915.41) 1034.05,996.34 1046.08,1008.37 1046.08,1020.44 1070.14,1044.5 1100.14,1044.5 1114.64,1059 1139,1059 1188,1010 v1(1234.64,1010) 1234.86,1010.22 1234.86,1033.62 1223.31,1045.16 1223.31,1125.84 1234.86,1137.38 1234.86,1206.78 v1@1234.64,1207 ; v1(1475.86,845.59) U12.5@1512.07,845.59 ; v1(1475.86,915.41) 1475.86,996.34 1487.89,1008.37 1487.89,1020.44 1511.95,1044.5 1541.95,1044.5 1556.45,1059 1579.37,1059 1596.31,1042.05 1596.31,1039.69 1626,1010 v1(1676.46,1010) v1@1676.46,1181 ; v1@1676.46,1182.46 v1@1676.46,1183 ; v1(1677,1181) v1@1677,1182.46 ; v1(1911,911) 1911,989.65 1929.71,1008.37 1929.71,1020.44 1953.77,1044.5 1983.77,1044.5 1998.27,1059 2021.18,1059 2038.13,1042.05 2038.13,1041.87 2070,1010 v1(2118.28,1010) v1(2118.28,1183) ; v1(1917.68,845.59) U13.5@1953.88,845.59 ; v1(2352.82,911) 2371.53,929.71 2371.53,1020.44 2395.59,1044.5 2425.59,1044.5 2440.09,1059 2462.82,1059 2466.96,1054.86 2467.14,1054.86 2467.62,1054.38 2467.62,1052.62 2475.23,1045 2477,1045 2479.95,1042.05 2479.95,1041.87 2511.81,1010 v1(2560.09,1010) 2560.09,1028.91 2550,1039 v1(2550,1164) ; v1(2359.5,845.59) U14.5@2395.7,845.59 ; v1(2793,910) 2793,988.02 2813.35,1008.37 2813.35,1020.44 2837.41,1044.5 2867.41,1044.5 2881.91,1059 2899.91,1059 2917.04,1041.87 2921.77,1041.87 2956.64,1007 v1(2970,1007) 2971.76,1008.76 2971.76,1172.84 v1@2982.91,1184 ; v1(2801.32,845.59) U18.5@2837.52,845.59 ; v1(2982,1185) v1@2982.91,1184.09 ; v1(3236,909) 3236,989.2 3255.17,1008.37 3255.17,1020.44 3279.23,1044.5 3309.23,1044.5 3323.73,1059 3337.91,1059 3386.91,1010 v1(3420.73,1009) v1(3420.73,1182) ; v1(3243.14,845.59) U19.5@3279.34,845.59 ; v1(3681,903) 3681,986.93 3696.98,1002.91 3696.98,1020.44 3721.04,1044.5 3751.04,1044.5 3765.54,1059 3779.99,1059 3783.92,1055.07 3783.92,1052.62 3791.54,1045 3793.99,1045 3826.99,1012 v1(3846,1012) 3846,1039.91 3862.55,1056.46 v1@3862.55,1182.45 ; v1(3684.95,845.59) U20.5@3721.16,845.59 ; v1(4117,900) 4117,986.56 4138.8,1008.37 4138.8,1020.44 4177.36,1059 4206,1059 4223.13,1041.87 4237.13,1041.87 4269,1010 v1(4296.37,1010) v1(4296.37,1183) ; v1(4126.77,845.59) U24.5@4162.97,845.59 ; v1(4558.82,900) 4558.82,986.56 4580.62,1008.37 4580.62,1020.44 4619.18,1059 4647.82,1059 4696.81,1010 v1(4738.18,1010) 4733.46,1014.73 4733.46,1159.46 v1(4736,1162) ; v1(4568.59,845.59) U25.5@4604.79,845.59 ; v1(5000.64,900) 5000.64,986.56 5022.44,1008.37 5022.44,1020.44 5054,1052 5096.64,1052 5138.63,1010 v1(5180,1010) 5180,1183 v1(5167,1196) ; v1(5010.41,845.59) U26.5@5046.61,845.59
  Bottom Layer w10: v1(150.41,845.59) v1(150.41,915.41) ; R32.1@305.14,1010 v1(351,1010) ; R29.1@305.14,1210 v1(348,1210) ; R29.1@308.33,1210 308.33,1510.86 395,1597.53 v1(395,2275) ; v1(592.23,845.59) v1(592.23,915.41) ; v1(682,1251) 688,1257 743,1257 ; R34.1@742.32,1010 v1(792.82,1010) ; v1(793,1183) 766,1210 R30.1@742.32,1210 742.32,1256.32 743,1257 ; v1(1034.05,845.59) v1(1034.05,915.41) ; R36.1@1179.51,1010 v1(1234.64,1010) ; v1(1231.64,1210) R31.1@1179.51,1210 1179.51,1254.49 1177,1257 ; v1(1475.86,845.59) v1(1475.86,915.41) ; R65.1@1616.69,1010 v1(1676.46,1010) ; v1(1677,1181) 1648,1210 R62.1@1616.69,1210 1616.69,1256.69 1617,1257 ; v1(1911,911) 1911,852.27 v1(1917.68,845.59) ; R67.1@2053.87,1010 v1(2118.28,1010) ; 2053.87,1256.13 R63.1@2053.87,1210 2091.27,1210 v1(2118.28,1183) ; v1(2352.82,911) 2352.82,852.27 v1(2359.5,845.59) ; R69.1@2491.05,1010 v1(2560.09,1010) ; v1(2550,1164) 2550,1175 2515,1210 R64.1@2491.05,1210 2491.05,1255.95 2490,1257 ; v1(2793,910) 2793,853.91 v1(2801.32,845.59) ; R98.1@2928.23,1010 2929.23,1011 2933.24,1007 v1(2970,1007) ; v1(2982,1185) 2957,1210 R95.1@2928.23,1210 2928.23,1253.23 2932,1257 ; v1(3236,909) 3236,852.73 v1(3243.14,845.59) ; R100.1@3365.42,1010 3366.42,1009 v1(3420.73,1009) ; 3365.42,1255.42 R96.1@3365.42,1210 3392.73,1210 v1(3420.73,1182) ; v1(3681,903) 3681,855 3678.27,852.27 v1(3684.95,845.59) ; R102.1@3802.6,1010 3804.6,1012 v1(3846,1012) ; 3802.6,1253.4 R97.1@3802.6,1210 3834,1210 3862,1182 v1(3862,1182.45) ; v1(4117,900) 4117,855.36 v1(4126.77,845.59) ; R131.1@4239.78,1010 v1(4296.37,1010) ; v1(4296.37,1183) 4269.36,1210 R128.1@4239.78,1210 4239.78,1255.78 4241,1257 ; v1(4558.82,900) 4558.82,855.36 v1(4568.59,845.59) ; R133.1@4676.96,1010 v1(4738.18,1010) ; 4676.96,1255.04 R129.1@4676.96,1210 4713,1210 4736,1187 v1(4736,1162) ; v1(5000.64,900) 5000.64,855.36 v1(5010.41,845.59) ; R135.1@5114.15,1010 v1(5180,1010) ; v1(5167,1196) 5167,1197 5154,1210 R130.1@5114.15,1210 5114.15,1232.85 5090,1257 4241,1257 ; 743,1257 1177,1257 ; 1177,1257 1617,1257 ; 1617,1257 2490,1257 ; 2490,1257 2932,1257 ; 2932,1257 4241,1257
SDA_1: M1.33 R33.1 R35.1 R37.1 R38.1 R40.1 R42.1 R66.1 R68.1 R70.1 R71.1 R73.1 R75.1 R99.1 R101.1 R103.1 R104.1 R106.1 R108.1 R132.1 R134.1 R136.1 R137.1 R139.1 R141.1 U6.6 U7.6 U8.6 U12.6 U13.6 U14.6 U18.6 U19.6 U20.6 U24.6 U25.6 U26.6 | length 15421.9
  Top Layer w10: v1(140.58,1017.42) 140.58,1125.3 148,1132.72 v1(148,1209) ; v1(208,784) 212.2,788.2 U6.6@212.2,845.59 ; v1(242,1292) 254.96,1279.04 492.06,1279.04 505.02,1292 v1(671,1292) ; M1.33@545,2340 551,2334 v1(551,2138) ; v1(582.4,1017.42) 582.4,1049.07 579.35,1052.12 579.35,1117.88 582.4,1120.93 582.4,1125.3 589.82,1132.72 v1(589.82,1209) ; v1(649.82,784) 654.02,788.2 U7.6@654.02,845.59 ; v1(1018,1161) 1018,1023.64 v1(1024.22,1017.42) ; v1(1091.64,784) 1095.84,788.2 U8.6@1095.84,845.59 ; v1(1457,1187) 1457,1125.62 1456.88,1125.5 1456.88,1052.12 1466.03,1042.97 v1(1466.03,1017.42) ; v1(1533.45,784) 1537.66,788.2 U12.6@1537.66,845.59 ; v1(1894,1163) 1894,1051 1907.85,1037.15 v1(1907.85,1017.42) ; v1(1979.47,789.53) U13.6@1979.47,845.59 ; v1(2320,1011) 2320,1023 2298.5,1044.5 2252.04,1044.5 2244.42,1052.12 2244.42,1117.88 2252.04,1125.5 2267.5,1125.5 v1(2330,1188) ; v1(2421.29,790.29) U14.6@2421.29,845.59 ; v1(2767,1010) v1(2767,1166) ; v1(2863.11,788.11) U18.6@2863.11,845.59 ; v1(3207,1007) v1(3207,1181) ; v1(3304.93,787.93) U19.6@3304.93,845.59 ; v1(3645,1009) v1(3645,1154) ; v1(3746.75,785.75) U20.6@3746.75,845.59 ; v1(4077,1007) v1(4077,1191) ; v1(4188.57,785.57) U24.6@4188.57,845.59 ; v1(4523,1007) v1(4523,1162) ; v1(4630.38,781.38) U25.6@4630.38,845.59 ; v1(4958,1006) v1(4958,1193) ; v1(5006,1290) 5033,1290 5053,1270 v1(5053,1209) ; v1(5072.2,787.8) U26.6@5072.2,845.59
  Bottom Layer w10: v1(148,1209) 194.84,1209 R33.1@195.84,1210 195.84,1245.84 v1(242,1292) ; R38.1@195.84,1010 148,1010 v1(140.58,1017.42) 140.58,995.58 108.32,963.32 63.44,963.32 54,953.88 54,906.5 177.5,783 209,783 v1(208,784) ; v1(551,2138) 552,2137 552,1578 650,1480 650,1429.37 642.14,1421.51 642.14,1335.95 671,1307.09 v1(671,1292) ; v1(589.82,1209) 636.66,1209 636.66,1257.66 v1(671,1292) ; R40.1@637.66,1010 589.81,1010 v1(582.4,1017.42) 582.4,995.58 550.14,963.32 505.26,963.32 495.82,953.88 495.82,906.5 619.32,783 650.82,783 v1(649.82,784) ; v1(1018,1161) 1017.88,1161.12 1017.88,1185.88 1042,1210 R37.1@1070.21,1210 ; R37.1@1078.48,1209 R37.1@1079.48,1210 ; R42.1@1079.48,1010 R42.1@1070.21,1010 1031.63,1010 v1(1024.22,1017.42) 1024.22,995.58 991.96,963.32 937.81,963.32 930.19,955.71 930.19,913.94 1061.14,783 1092.64,783 v1(1091.64,784) ; v1(1457,1187) 1480,1210 R66.1@1507.39,1210 ; R71.1@1507.39,1010 1473.45,1010 v1(1466.03,1017.42) 1466.03,995.58 1433.78,963.32 1374.99,963.32 1367.38,955.71 1367.38,918.58 1502.95,783 1534.45,783 v1(1533.45,784) ; R66.1@1520.3,1209 R66.1@1521.3,1210 ; v1(1894,1163) 1894,1192 1912,1210 R68.1@1944.57,1210 ; 1963.12,1010 R73.1@1944.57,1010 1915.27,1010 v1(1907.85,1017.42) 1907.85,995.58 1875.6,963.32 1812.17,963.32 1804.56,955.71 1804.56,921.32 1812.17,913.7 1821.3,913.7 1895.82,839.18 1895.82,836.54 1944.36,788 1981,788 v1(1979.47,789.53) ; v1(2330,1188) 2352,1210 R70.1@2381.76,1210 ; R75.1@2381.76,1010 2379.75,1008 2376.75,1011 v1(2320,1011) 2326,1011 2332,1005 2332,990 2312,970 2263,970 2256.32,963.32 2249.36,963.32 2241.74,955.71 2241.74,921.32 2249.36,913.7 2265.3,913.7 2337.64,841.36 2337.64,836.54 2386.18,788 2419,788 v1(2421.29,790.29) ; v1(2767,1010) v1@2772,1010 ; v1(2767,1166) 2770,1169 2770,1190 2786,1206 2814.94,1206 R99.1@2818.94,1210 ; R104.1@2818.94,1010 v1@2772,1010 ; v1(2863.11,788.11) 2827.89,788.11 2779.46,836.54 2779.46,841.54 2707.3,913.7 2686.54,913.7 2678.92,921.32 2678.92,955.71 2689.5,966.29 2688.79,967 2743,967 2767,991 2767,1005 v1@2772,1010 ; v1(3207,1181) 3236,1210 R101.1@3256.12,1210 ; R106.1@3256.12,1010 3253.12,1007 v1(3207,1007) 3207,986 3194,973 3121.15,973 3116.1,967.96 3116.1,921.32 3123.72,913.7 3149.3,913.7 3221.28,841.72 3221.28,836.54 3269.89,787.93 v1(3304.93,787.93) ; v1(3645,1154) 3641,1158 3641,1180 3670,1209 3692.3,1209 R103.1@3693.3,1210 ; R108.1@3692.3,1009 v1(3645,1009) 3645,985 3637,977 3594,977 3580.32,963.32 3560.9,963.32 3553.29,955.71 3553.29,921.32 3573,901.6 3604.4,901.6 3660.27,845.73 3660.27,839.36 3716.63,783 3744,783 v1(3746.75,785.75) ; v1(4077,1191) 4096,1210 R132.1@4130.49,1210 ; R137.1@4130.49,1010 4127.48,1007 v1(4077,1007) 4037,967 4019,967 4015.32,963.32 3998.08,963.32 3990.47,955.71 3990.47,921.32 4008.47,903.32 4043.68,903.32 4099,848 4099,842.45 4156.45,785 4188,785 v1(4188.57,785.57) ; 4132,1293 4132,1292 ; v1(4523,1162) 4519,1166 4519,1186 4543,1210 R134.1@4567.67,1210 ; R139.1@4567.67,1010 4564.67,1007 v1(4523,1007) 4523,1003 4483.32,963.32 4435.27,963.32 4427.65,955.71 4427.65,921.32 4445.65,903.32 4492.13,903.32 4540.82,854.63 4540.82,842.45 4559.54,823.73 4571.71,823.73 4614.06,781.38 v1(4630.38,781.38) ; v1(4958,1193) 4975,1210 R136.1@5004.85,1210 5005.85,1209 v1(5053,1209) ; R141.1@5004.85,1010 5000.85,1006 v1(4958,1006) 4958,999 4933,974 4891,974 4880.32,963.32 4872.45,963.32 4864.83,955.71 4864.83,921.32 4880,906.15 4920.85,906.15 4988.55,838.45 4988.55,836.54 5037.29,787.8 v1(5072.2,787.8) ; v1(5006,1290) 5004,1292 4132,1292 ; v1(671,1292) 4132,1292
SH_CP: M1.30 U3.11 U4.11 U5.11 | length 1049.4
  Top Layer w10: v1(695,2272) M1.30@695,2340 ; v1(848,2018) v1(848,2193) ; U3.11@980,1452 v1(980,1565)
  Bottom Layer w10: v1(695,2272) 732,2235 806,2235 v1(848,2193) ; v1(848,2018) 977,1889 977,1568 v1(980,1565)
SH_CP_2: M1.13 U1.11 U2.11 | length 1267.7
  Top Layer w10: M1.13@895,1630 895,1538 v1(897,1540) ; v1(1903.75,1386.25) U1.11@1903.75,1452
  Bottom Layer w10: v1(897,1540) 1344.09,1540 1345.95,1538.14 1417.86,1538.14 1611,1345 1865,1345 1905,1385 v1(1903.75,1386.25)
ST_CP: M1.28 U3.12 U4.12 U5.12 | length 948.1
  Top Layer w10: v1(790,2020) 790,2269 795,2274 M1.28@795,2340 ; U3.12@930,1452 v1(930,1569)
  Bottom Layer w10: v1(790,2020) 930,1880 v1(930,1569)
ST_CP_2: M1.16 U1.12 U2.12 | length 1237.3
  Top Layer w10: M1.16@1003.66,1809.92 1078.08,1809.92 v1(1088,1800) ; v1(1852,1385) 1853.75,1386.75 U1.12@1853.75,1452
  Bottom Layer w10: v1(1088,1800) 1647,1800 1758,1689 1758,1482 1777,1463 1777,1422 1814,1385 v1(1852,1385)
TX_1: J1.3 M1.34 | length 1254.8
  Top Layer w10: M1.34@495,2340 495,2270 v1(500,2265) ; v1(1415,2085) 1500,2085 1535,2120 J1.3@1535,2173.7
  Bottom Layer w10: v1(500,2265) 630,2265 810,2085 v1(1415,2085)
pads on no net: IC1.4 J1.4 M1.4 M1.5 M1.17 M1.18 M1.19 M1.20 M1.21 M1.22 M1.24 M1.32 U1.15 U2.9 U5.9 U30.4

## Polygon pours and split planes (outlines as drawn)
GND on Bottom Layer "Top Layer-No Net" (solid, remove dead copper, shelved, pour order 4): 0,0 0,1500 1150,1500 1150,2362.2 5314.96,2362.2 5314.96,0
GND on Top Layer "Top Layer-No Net" (solid, remove dead copper, shelved, pour order 6): 0,0 0,1500 1150,1500 1150,2362.2 5310,2362.2 5314.96,2362.2 5314.96,0

## Keep-outs
Keep-Out Layer:
  the board outline again, w10

## Text inside footprints (layer, text, board x,y; h text height)
J1: Mechanical 13 "PCB END" at 1613.77,2383.68 h19.68 r180
M1: Top Overlay "www.EvertDekker.com" at 75,1815 h19.68 r90